# KiCad board register-motherboard.kicad_pcb (continued)
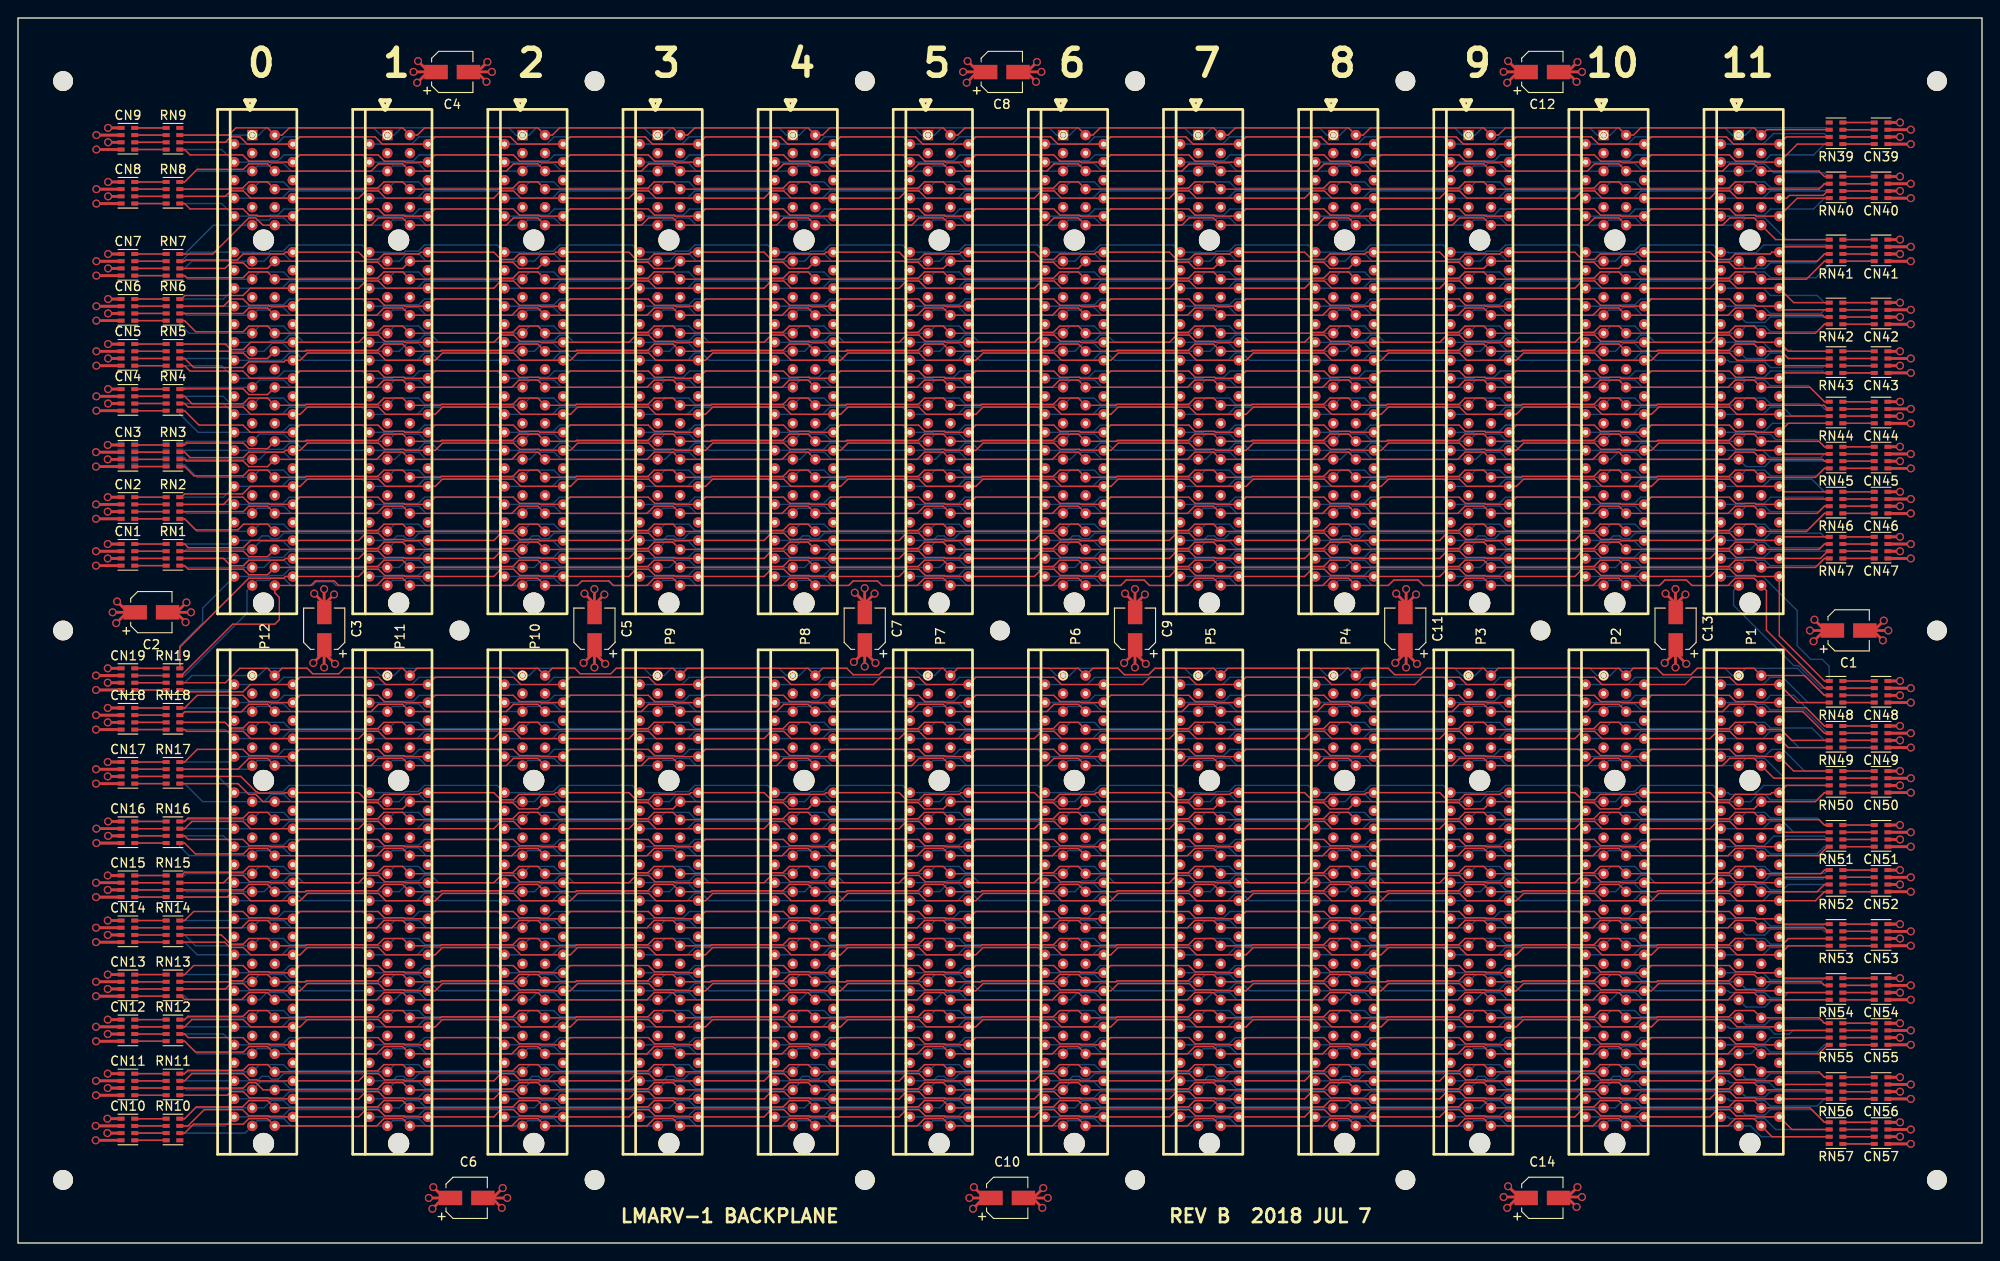
[diagram p0: board, top side]
## Routing (per net, layer and track width the routed paths; a pad name or vN(x,y) marks a point on that pad's centre or on a via; arc(x,y) is an arc through that point) (continued)
VCC: length 106.3
  Top w0.305: 167.4,5.1 v1(164.9,5.1) ; 167.4,5.1 166.6,5.1 v1(165.4,6.3) ; 167.4,5.1 166.5,5.1 v1(165.3,3.9) ; v1(106,3.8) 107.2,5 108.1,5 ; 108.1,5 v1(105.6,5) ; 108.1,5 107.3,5 v1(106.1,6.2) ; v1(46,3.8) 47.2,5 48.1,5 ; 48.1,5 v1(45.6,5) ; 48.1,5 47.3,5 v1(46.1,6.2) ; C2.1 12.2,70.02 v1(11,71.22) ; C2.1 12.1,70.02 v1(10.9,68.82) ; C2.1 v1(10.5,70.02) ; 46.4,130.02 45.6,130.02 v1(44.4,131.22) ; 46.4,130.02 v1(43.9,130.02) ; 46.4,130.02 45.5,130.02 v1(44.3,128.82) ; 107.4,130.02 106.5,130.02 v1(105.3,128.82) ; 107.4,130.02 v1(104.9,130.02) ; 107.4,130.02 106.6,130.02 v1(105.4,131.22) ; 167.4,130.02 166.6,130.02 v1(165.4,131.22) ; 167.4,130.02 166.5,130.02 v1(165.3,128.82) ; 167.4,130.02 v1(164.9,130.02) ; 183.98,66.4 183.98,65.6 v1(182.78,64.4) ; 183.98,66.4 v1(183.98,63.9) ; 183.98,66.4 183.98,65.5 v1(185.18,64.3) ; 154.08,66.4 v1(154.08,63.9) ; 154.08,66.4 154.08,65.6 v1(152.88,64.4) ; 154.08,66.4 154.08,65.5 v1(155.28,64.3) ; 123.98,66.4 v1(123.98,63.9) ; 123.98,66.4 123.98,65.6 v1(122.78,64.4) ; 123.98,66.4 123.98,65.5 v1(125.18,64.3) ; 93.98,66.5 v1(93.98,64) ; 93.98,66.5 93.98,65.7 v1(92.78,64.5) ; 93.98,66.5 93.98,65.6 v1(95.18,64.4) ; 63.98,66.4 63.98,65.6 v1(62.78,64.4) ; 63.98,66.4 v1(63.98,63.9) ; 63.98,66.4 63.98,65.5 v1(65.18,64.3) ; 33.98,66.4 v1(33.98,63.9) ; 33.98,66.4 33.98,65.5 v1(35.18,64.3) ; 33.98,66.4 33.98,65.6 v1(32.78,64.4) ; v1(199.3,66.8) 200.5,68 C1.1 ; C1.1 200.6,68 v1(199.4,69.2) ; C1.1 v1(198.9,68)
/BOOT_CLK: length 192.2
  Top w0.152: RN10.8 18.49,13.8 19.8,15.11 24.92,15.11 25.61,15.8 27.7,15.8 P12.194 38.38,15 38.49,15.11 39.92,15.11 40.61,15.8 42.7,15.8 P11.194 53.38,15 53.49,15.11 54.92,15.11 55.61,15.8 57.7,15.8 P10.194 68.38,15 68.49,15.11 69.92,15.11 70.61,15.8 72.7,15.8 P9.194 83.38,15 83.49,15.11 84.92,15.11 85.61,15.8 87.7,15.8 P8.194 98.38,15 98.49,15.11 99.92,15.11 100.61,15.8 102.7,15.8 P7.194 113.38,15 113.49,15.11 114.92,15.11 115.61,15.8 117.7,15.8 P6.194 128.38,15 128.49,15.11 129.92,15.11 130.61,15.8 132.7,15.8 P5.194 143.38,15 143.49,15.11 144.92,15.11 145.61,15.8 147.7,15.8 P4.194 158.38,15 158.49,15.11 159.92,15.11 160.61,15.8 162.7,15.8 P3.194 173.38,15 173.49,15.11 174.92,15.11 175.61,15.8 177.7,15.8 P2.194 188.38,15 188.49,15.11 189.92,15.11 190.61,15.8 192.7,15.8 P1.194 198.91,15 200.51,13.4 RN57.5
/f[0]: length 191.9
  Top w0.152: RN55.8 200.88,22 199.88,21 P1.188 192.7,21.8 190.61,21.8 189.81,21 P2.188 177.7,21.8 175.61,21.8 174.81,21 P3.188 162.7,21.8 160.61,21.8 159.81,21 P4.188 147.7,21.8 145.61,21.8 144.81,21 P5.188 132.7,21.8 130.61,21.8 129.81,21 P6.188 117.7,21.8 115.61,21.8 114.81,21 P7.188 102.7,21.8 100.61,21.8 99.81,21 P8.188 87.7,21.8 85.61,21.8 84.81,21 P9.188 72.7,21.8 70.61,21.8 69.81,21 P10.188 57.7,21.8 55.61,21.8 54.81,21 P11.188 42.7,21.8 40.61,21.8 39.81,21 P12.188 27.7,21.8 25.61,21.8 25.01,21.2 19.7,21.2 18.49,22.4 RN12.5
/f[1]: length 191.4
  Top w0.152: RN11.8 18.49,18.8 18.86,19.17 24.98,19.17 25.61,19.8 27.7,19.8 P12.190 38.38,19 38.49,19.11 39.92,19.11 40.61,19.8 42.7,19.8 P11.190 53.38,19 53.49,19.11 54.92,19.11 55.61,19.8 57.7,19.8 P10.190 68.38,19 68.49,19.11 69.92,19.11 70.61,19.8 72.7,19.8 P9.190 83.38,19 83.49,19.11 84.92,19.11 85.61,19.8 87.7,19.8 P8.190 98.38,19 98.49,19.11 99.92,19.11 100.61,19.8 102.7,19.8 P7.190 113.38,19 113.49,19.11 114.92,19.11 115.61,19.8 117.7,19.8 P6.190 128.38,19 128.49,19.11 129.92,19.11 130.61,19.8 132.7,19.8 P5.190 143.38,19 143.49,19.11 144.92,19.11 145.61,19.8 147.7,19.8 P4.190 158.38,19 158.49,19.11 159.92,19.11 160.61,19.8 162.7,19.8 P3.190 173.38,19 173.49,19.11 174.92,19.11 175.61,19.8 177.7,19.8 P2.190 188.38,19 188.49,19.11 189.92,19.11 190.61,19.8 192.7,19.8 P1.190 199.91,19 200.51,18.4 RN56.5
/f[2]: length 191.2
  Top w0.152: RN11.7 18.49,18 19.3,18.8 25.01,18.8 25.7,18.11 26.51,18.11 26.62,18 P12.191 37.81,18 38.61,18.8 40.01,18.8 40.7,18.11 42.82,18.11 42.93,18 P11.191 52.81,18 53.61,18.8 55.01,18.8 55.7,18.11 57.82,18.11 57.93,18 P10.191 67.81,18 68.61,18.8 70.01,18.8 70.7,18.11 72.82,18.11 72.93,18 P9.191 82.81,18 83.61,18.8 85.01,18.8 85.7,18.11 87.82,18.11 87.93,18 P8.191 97.81,18 98.61,18.8 100.01,18.8 100.7,18.11 102.82,18.11 102.93,18 P7.191 112.81,18 113.61,18.8 115.01,18.8 115.7,18.11 117.82,18.11 117.93,18 P6.191 127.81,18 128.61,18.8 130.01,18.8 130.7,18.11 132.82,18.11 132.93,18 P5.191 142.81,18 143.61,18.8 145.01,18.8 145.7,18.11 147.82,18.11 147.93,18 P4.191 157.81,18 158.61,18.8 160.01,18.8 160.7,18.11 162.82,18.11 162.93,18 P3.191 172.81,18 173.61,18.8 175.01,18.8 175.7,18.11 177.82,18.11 177.93,18 P2.191 187.81,18 188.61,18.8 190.01,18.8 190.7,18.11 192.82,18.11 192.93,18 P1.191 195.9,17.6 RN56.6
/f[3]: length 191.1
  Top w0.152: RN11.6 18.49,17.2 18.5,17.2 25.01,17.2 25.61,17.8 26.39,17.8 27.19,17 P12.192 38.38,17 38.49,17.11 39.92,17.11 40.61,17.8 42.7,17.8 P11.192 53.38,17 53.49,17.11 54.92,17.11 55.61,17.8 57.7,17.8 P10.192 68.38,17 68.49,17.11 69.92,17.11 70.61,17.8 72.7,17.8 P9.192 83.38,17 83.49,17.11 84.92,17.11 85.61,17.8 87.7,17.8 P8.192 98.38,17 98.49,17.11 99.92,17.11 100.61,17.8 102.7,17.8 P7.192 113.38,17 113.49,17.11 114.92,17.11 115.61,17.8 117.7,17.8 P6.192 128.38,17 128.49,17.11 129.92,17.11 130.61,17.8 132.7,17.8 P5.192 143.38,17 143.49,17.11 144.92,17.11 145.61,17.8 147.7,17.8 P4.192 158.38,17 158.49,17.11 159.92,17.11 160.61,17.8 162.7,17.8 P3.192 173.38,17 173.49,17.11 174.92,17.11 175.61,17.8 177.7,17.8 P2.192 188.38,17 188.49,17.11 189.92,17.11 190.61,17.8 192.7,17.8 P1.192 200.68,17 200.88,16.8 RN56.7
/nc0: length 191.2
  Top w0.152: RN45.7 200.51,86.8 200.31,87 P1.133 192.7,87.8 190.61,87.8 189.81,87 P2.133 177.7,87.8 175.61,87.8 174.81,87 P3.133 162.7,87.8 160.61,87.8 159.81,87 P4.133 147.7,87.8 145.61,87.8 144.81,87 P5.133 132.7,87.8 130.61,87.8 129.81,87 P6.133 117.7,87.8 115.61,87.8 114.81,87 P7.133 102.7,87.8 100.61,87.8 99.81,87 P8.133 87.7,87.8 85.61,87.8 84.81,87 P9.133 72.7,87.8 70.61,87.8 69.81,87 P10.133 57.7,87.8 55.61,87.8 54.81,87 P11.133 42.7,87.8 40.61,87.8 39.81,87 P12.133 27.7,86.2 25.61,86.2 24.98,86.83 18.66,86.83 18.49,87 RN3.6
/nc1: length 191.8
  Top w0.152: RN3.5 18.49,86.2 19.52,85.17 24.98,85.17 25.61,85.8 27.7,85.8 P12.135 31.88,85 31.99,85.11 39.92,85.11 40.61,85.8 42.7,85.8 P11.135 46.88,85 46.99,85.11 54.92,85.11 55.61,85.8 57.7,85.8 P10.135 61.88,85 61.99,85.11 69.92,85.11 70.61,85.8 72.7,85.8 P9.135 76.88,85 76.99,85.11 84.92,85.11 85.61,85.8 87.7,85.8 P8.135 91.88,85 91.99,85.11 99.92,85.11 100.61,85.8 102.7,85.8 P7.135 106.88,85 106.99,85.11 114.92,85.11 115.61,85.8 117.7,85.8 P6.135 121.88,85 121.99,85.11 129.92,85.11 130.61,85.8 132.7,85.8 P5.135 136.88,85 136.99,85.11 144.92,85.11 145.61,85.8 147.7,85.8 P4.135 151.88,85 151.99,85.11 159.92,85.11 160.61,85.8 162.7,85.8 P3.135 166.88,85 166.99,85.11 174.92,85.11 175.61,85.8 177.7,85.8 P2.135 181.88,85 181.99,85.11 189.92,85.11 190.61,85.8 192.7,85.8 P1.135 199.51,85 200.51,86 RN45.8
/nc2: length 191.1
  Top w0.152: RN46.5 196.1,83.4 P1.136 190.81,84 190.01,84.8 182.12,84.8 181.31,84 P2.136 175.81,84 175.01,84.8 167.12,84.8 166.31,84 P3.136 160.81,84 160.01,84.8 152.12,84.8 151.31,84 P4.136 145.81,84 145.01,84.8 137.12,84.8 136.31,84 P5.136 130.81,84 130.01,84.8 122.12,84.8 121.31,84 P6.136 115.81,84 115.01,84.8 107.12,84.8 106.31,84 P7.136 100.81,84 100.01,84.8 92.12,84.8 91.31,84 P8.136 85.81,84 85.01,84.8 77.12,84.8 76.31,84 P9.136 70.81,84 70.01,84.8 62.12,84.8 61.31,84 P10.136 55.81,84 55.01,84.8 47.12,84.8 46.31,84 P11.136 40.81,84 40.01,84.8 32.12,84.8 31.31,84 P12.136 25.77,84 24.94,83.17 18.49,83.17 18.12,82.8 RN2.8
/nc3: length 191.3
  Top w0.152: RN2.7 22.81,82 23.61,82.8 24.97,82.8 25.66,82.11 27.82,82.11 27.93,82 P12.138 31.3,82.8 39.97,82.8 40.66,82.11 42.82,82.11 42.93,82 P11.138 46.3,82.8 54.97,82.8 55.66,82.11 57.82,82.11 57.93,82 P10.138 61.3,82.8 69.97,82.8 70.66,82.11 72.82,82.11 72.93,82 P9.138 76.3,82.8 84.97,82.8 85.66,82.11 87.82,82.11 87.93,82 P8.138 91.3,82.8 99.97,82.8 100.66,82.11 102.82,82.11 102.93,82 P7.138 106.3,82.8 114.97,82.8 115.66,82.11 117.82,82.11 117.93,82 P6.138 121.3,82.8 129.97,82.8 130.66,82.11 132.82,82.11 132.93,82 P5.138 136.3,82.8 144.97,82.8 145.66,82.11 147.82,82.11 147.93,82 P4.138 151.3,82.8 159.97,82.8 160.66,82.11 162.82,82.11 162.93,82 P3.138 166.3,82.8 174.97,82.8 175.66,82.11 177.82,82.11 177.93,82 P2.138 181.3,82.8 189.97,82.8 190.66,82.11 192.82,82.11 192.93,82 P1.138 196.1,82.6 RN46.6
/nc4: length 191.3
  Top w0.152: RN46.7 200.51,81.8 199.71,81 P1.139 192.7,81.8 190.61,81.8 189.81,81 P2.139 177.7,81.8 175.61,81.8 174.81,81 P3.139 162.7,81.8 160.61,81.8 159.81,81 P4.139 147.7,81.8 145.61,81.8 144.81,81 P5.139 132.7,81.8 130.61,81.8 129.81,81 P6.139 117.7,81.8 115.61,81.8 114.81,81 P7.139 102.7,81.8 100.61,81.8 99.81,81 P8.139 87.7,81.8 85.61,81.8 84.81,81 P9.139 72.7,81.8 70.61,81.8 69.81,81 P10.139 57.7,81.8 55.61,81.8 54.81,81 P11.139 42.7,81.8 40.61,81.8 39.81,81 P12.139 27.7,81.8 25.61,81.8 25.01,81.2 18.5,81.2 18.49,81.2 RN2.6
/nc5: length 192.3
  Top w0.152: RN2.5 18.49,80.4 19.72,79.17 24.4,79.17 25.03,79.8 27.7,79.8 P12.141 38.38,79 38.49,79.11 39.92,79.11 40.61,79.8 42.7,79.8 P11.141 53.38,79 53.49,79.11 54.92,79.11 55.61,79.8 57.7,79.8 P10.141 68.38,79 68.49,79.11 69.92,79.11 70.61,79.8 72.7,79.8 P9.141 83.38,79 83.49,79.11 84.92,79.11 85.61,79.8 87.7,79.8 P8.141 98.38,79 98.49,79.11 99.92,79.11 100.61,79.8 102.7,79.8 P7.141 113.38,79 113.49,79.11 114.92,79.11 115.61,79.8 117.7,79.8 P6.141 128.38,79 128.49,79.11 129.92,79.11 130.61,79.8 132.7,79.8 P5.141 143.38,79 143.49,79.11 144.92,79.11 145.61,79.8 147.7,79.8 P4.141 158.38,79 158.49,79.11 159.92,79.11 160.61,79.8 162.7,79.8 P3.141 173.38,79 173.49,79.11 174.92,79.11 175.61,79.8 177.7,79.8 P2.141 188.38,79 188.49,79.11 189.92,79.11 190.61,79.8 192.7,79.8 P1.141 198.51,79 200.51,81 RN46.8
/nc6: length 191.1
  Top w0.152: RN1.8 18.49,77.6 18.9,77.2 25.01,77.2 25.81,78 P12.142 37.81,78 38.61,78.8 40.01,78.8 40.7,78.11 42.82,78.11 42.93,78 P11.142 52.81,78 53.61,78.8 55.01,78.8 55.7,78.11 57.82,78.11 57.93,78 P10.142 67.81,78 68.61,78.8 70.01,78.8 70.7,78.11 72.82,78.11 72.93,78 P9.142 82.81,78 83.61,78.8 85.01,78.8 85.7,78.11 87.82,78.11 87.93,78 P8.142 97.81,78 98.61,78.8 100.01,78.8 100.7,78.11 102.82,78.11 102.93,78 P7.142 112.81,78 113.61,78.8 115.01,78.8 115.7,78.11 117.82,78.11 117.93,78 P6.142 127.81,78 128.61,78.8 130.01,78.8 130.7,78.11 132.82,78.11 132.93,78 P5.142 142.81,78 143.61,78.8 145.01,78.8 145.7,78.11 147.82,78.11 147.93,78 P4.142 157.81,78 158.61,78.8 160.01,78.8 160.7,78.11 162.82,78.11 162.93,78 P3.142 172.81,78 173.61,78.8 175.01,78.8 175.7,78.11 177.82,78.11 177.93,78 P2.142 187.81,78 188.61,78.8 190.01,78.8 190.7,78.11 192.82,78.11 192.93,78 P1.142 195.9,78.4 RN47.5
/nc7: length 191.9
  Bottom w0.152: RN30.7 18.49,17.2 18.69,17 P12.94 26.89,17.89 29.45,17.89 30.23,17.11 38.32,17.11 38.43,17 P11.94 41.89,17.89 44.45,17.89 45.23,17.11 53.32,17.11 53.43,17 P10.94 56.89,17.89 59.45,17.89 60.23,17.11 68.32,17.11 68.43,17 P9.94 71.89,17.89 74.45,17.89 75.23,17.11 83.32,17.11 83.43,17 P8.94 86.89,17.89 89.45,17.89 90.23,17.11 98.32,17.11 98.43,17 P7.94 101.89,17.89 104.45,17.89 105.23,17.11 113.32,17.11 113.43,17 P6.94 116.89,17.89 119.45,17.89 120.23,17.11 128.32,17.11 128.43,17 P5.94 131.89,17.89 134.45,17.89 135.23,17.11 143.32,17.11 143.43,17 P4.94 146.89,17.89 149.45,17.89 150.23,17.11 158.32,17.11 158.43,17 P3.94 161.89,17.89 164.45,17.89 165.23,17.11 173.32,17.11 173.43,17 P2.94 176.89,17.89 179.45,17.89 180.23,17.11 188.32,17.11 188.43,17 P1.94 191.8,16.2 193.89,16.2 194.49,16.8 200.5,16.8 200.51,16.8 RN75.6
/nc8: length 191.2
  Bottom w0.152: RN75.5 200.51,16 199.7,15.2 194.49,15.2 193.89,15.8 190.01,15.8 189.81,16 P1.95 188.2,16.8 180.11,16.8 179.42,16.11 177.99,16.11 177.88,16 P2.95 173.2,16.8 165.11,16.8 164.42,16.11 162.99,16.11 162.88,16 P3.95 158.2,16.8 150.11,16.8 149.42,16.11 147.99,16.11 147.88,16 P4.95 143.2,16.8 135.11,16.8 134.42,16.11 132.99,16.11 132.88,16 P5.95 128.2,16.8 120.11,16.8 119.42,16.11 117.99,16.11 117.88,16 P6.95 113.2,16.8 105.11,16.8 104.42,16.11 102.99,16.11 102.88,16 P7.95 98.2,16.8 90.11,16.8 89.42,16.11 87.99,16.11 87.88,16 P8.95 83.2,16.8 75.11,16.8 74.42,16.11 72.99,16.11 72.88,16 P9.95 68.2,16.8 60.11,16.8 59.42,16.11 57.99,16.11 57.88,16 P10.95 53.2,16.8 45.11,16.8 44.42,16.11 42.99,16.11 42.88,16 P11.95 38.2,16.8 30.11,16.8 29.42,16.11 27.99,16.11 27.88,16 P12.95 23.6,16.4 RN30.8
/nc9: length 192.1
  Bottom w0.152: RN76.8 200.51,13.4 199.1,14.8 194.49,14.8 193.89,14.2 191.8,14.2 P1.96 188.43,15 188.32,15.11 180.2,15.11 179.51,15.8 178.11,15.8 177.31,15 P2.96 173.43,15 173.32,15.11 165.2,15.11 164.51,15.8 163.11,15.8 162.31,15 P3.96 158.43,15 158.32,15.11 150.2,15.11 149.51,15.8 148.11,15.8 147.31,15 P4.96 143.43,15 143.32,15.11 135.2,15.11 134.51,15.8 133.11,15.8 132.31,15 P5.96 128.43,15 128.32,15.11 120.2,15.11 119.51,15.8 118.11,15.8 117.31,15 P6.96 113.43,15 113.32,15.11 105.2,15.11 104.51,15.8 103.11,15.8 102.31,15 P7.96 98.43,15 98.32,15.11 90.2,15.11 89.51,15.8 88.11,15.8 87.31,15 P8.96 83.43,15 83.32,15.11 75.2,15.11 74.51,15.8 73.11,15.8 72.31,15 P9.96 68.43,15 68.32,15.11 60.2,15.11 59.51,15.8 58.11,15.8 57.31,15 P10.96 53.43,15 53.32,15.11 45.2,15.11 44.51,15.8 43.11,15.8 42.31,15 P11.96 38.43,15 38.32,15.11 30.2,15.11 29.51,15.8 28.11,15.8 27.31,15 P12.96 19.69,15 18.49,13.8 RN29.5
/nc10: length 191.4
  Bottom w0.152: RN29.6 23,13 P12.97 27.88,14 27.99,14.11 29.42,14.11 30.11,14.8 38.2,14.8 P11.97 42.88,14 42.99,14.11 44.42,14.11 45.11,14.8 53.2,14.8 P10.97 57.88,14 57.99,14.11 59.42,14.11 60.11,14.8 68.2,14.8 P9.97 72.88,14 72.99,14.11 74.42,14.11 75.11,14.8 83.2,14.8 P8.97 87.88,14 87.99,14.11 89.42,14.11 90.11,14.8 98.2,14.8 P7.97 102.88,14 102.99,14.11 104.42,14.11 105.11,14.8 113.2,14.8 P6.97 117.88,14 117.99,14.11 119.42,14.11 120.11,14.8 128.2,14.8 P5.97 132.88,14 132.99,14.11 134.42,14.11 135.11,14.8 143.2,14.8 P4.97 147.88,14 147.99,14.11 149.42,14.11 150.11,14.8 158.2,14.8 P3.97 162.88,14 162.99,14.11 164.42,14.11 165.11,14.8 173.2,14.8 P2.97 177.88,14 177.99,14.11 179.42,14.11 180.11,14.8 188.2,14.8 P1.97 189.81,14 190.01,13.8 193.89,13.8 195.09,12.6 RN76.7
/nc11: length 191.2
  Bottom w0.152: RN76.6 193.51,11.8 192.31,13 P1.98 180.31,13 179.51,13.8 178.11,13.8 177.89,13.57 176.57,13.57 P2.98 165.31,13 164.51,13.8 163.11,13.8 162.89,13.57 161.57,13.57 P3.98 150.31,13 149.51,13.8 148.11,13.8 147.89,13.57 146.57,13.57 P4.98 135.31,13 134.51,13.8 133.11,13.8 132.89,13.57 131.57,13.57 P5.98 120.31,13 119.51,13.8 118.11,13.8 117.89,13.57 116.57,13.57 P6.98 105.31,13 104.51,13.8 103.11,13.8 102.89,13.57 101.57,13.57 P7.98 90.31,13 89.51,13.8 88.11,13.8 87.89,13.57 86.57,13.57 P8.98 75.31,13 74.51,13.8 73.11,13.8 72.89,13.57 71.57,13.57 P9.98 60.31,13 59.51,13.8 58.11,13.8 57.89,13.57 56.57,13.57 P10.98 45.31,13 44.51,13.8 43.11,13.8 42.89,13.57 41.57,13.57 P11.98 30.31,13 29.51,13.8 28.11,13.8 27.89,13.57 26.57,13.57 P12.98 25.2,12.2 RN29.7
/nc12: length 191.2
  Top w0.152: RN55.6 195.9,23.6 P1.185 190.81,24 190.01,24.8 182.12,24.8 181.31,24 P2.185 175.81,24 175.01,24.8 167.12,24.8 166.31,24 P3.185 160.81,24 160.01,24.8 152.12,24.8 151.31,24 P4.185 145.81,24 145.01,24.8 137.12,24.8 136.31,24 P5.185 130.81,24 130.01,24.8 122.12,24.8 121.31,24 P6.185 115.81,24 115.01,24.8 107.12,24.8 106.31,24 P7.185 100.81,24 100.01,24.8 92.12,24.8 91.31,24 P8.185 85.81,24 85.01,24.8 77.12,24.8 76.31,24 P9.185 70.81,24 70.01,24.8 62.12,24.8 61.31,24 P10.185 55.81,24 55.01,24.8 47.12,24.8 46.31,24 P11.185 40.81,24 40.01,24.8 32.12,24.8 31.31,24 P12.185 25.81,24 25.01,24.8 19.3,24.8 18.49,24 RN12.7
/rd[0]: length 191
  Bottom w0.152: RN71.7 200.51,40.6 200.31,40.4 196.29,40.4 195.89,40.8 194.46,40.8 193.77,40.11 191.68,40.11 191.57,40 P1.71 181.69,40 180.89,40.8 180.11,40.8 179.51,40.2 178.08,40.2 177.88,40 P2.71 166.69,40 165.89,40.8 165.11,40.8 164.51,40.2 163.08,40.2 162.88,40 P3.71 151.69,40 150.89,40.8 150.11,40.8 149.51,40.2 148.08,40.2 147.88,40 P4.71 136.69,40 135.89,40.8 135.11,40.8 134.51,40.2 133.08,40.2 132.88,40 P5.71 121.69,40 120.89,40.8 120.11,40.8 119.51,40.2 118.08,40.2 117.88,40 P6.71 106.69,40 105.89,40.8 105.11,40.8 104.51,40.2 103.08,40.2 102.88,40 P7.71 91.69,40 90.89,40.8 90.11,40.8 89.51,40.2 88.08,40.2 87.88,40 P8.71 76.69,40 75.89,40.8 75.11,40.8 74.51,40.2 73.08,40.2 72.88,40 P9.71 61.69,40 60.89,40.8 60.11,40.8 59.51,40.2 58.08,40.2 57.88,40 P10.71 46.69,40 45.89,40.8 45.11,40.8 44.51,40.2 43.08,40.2 42.88,40 P11.71 31.69,40 30.89,40.8 30.11,40.8 29.51,40.2 28.08,40.2 27.88,40 P12.71 RN34.6
/rd[1]: length 191.3
  Bottom w0.152: RN34.5 18.49,40.8 18.69,41 P12.70 26.8,41.8 29.47,41.8 30.16,41.11 31.01,41.11 31.12,41 P11.70 41.8,41.8 44.47,41.8 45.16,41.11 46.01,41.11 46.12,41 P10.70 56.8,41.8 59.47,41.8 60.16,41.11 61.01,41.11 61.12,41 P9.70 71.8,41.8 74.47,41.8 75.16,41.11 76.01,41.11 76.12,41 P8.70 86.8,41.8 89.47,41.8 90.16,41.11 91.01,41.11 91.12,41 P7.70 101.8,41.8 104.47,41.8 105.16,41.11 106.01,41.11 106.12,41 P6.70 116.8,41.8 119.47,41.8 120.16,41.11 121.01,41.11 121.12,41 P5.70 131.8,41.8 134.47,41.8 135.16,41.11 136.01,41.11 136.12,41 P4.70 146.8,41.8 149.47,41.8 150.16,41.11 151.01,41.11 151.12,41 P3.70 161.8,41.8 164.47,41.8 165.16,41.11 166.01,41.11 166.12,41 P2.70 176.8,41.8 179.47,41.8 180.16,41.11 181.01,41.11 181.12,41 P1.70 191.8,41.8 193.89,41.8 194.58,41.11 196.01,41.11 196.09,41.03 200.51,41.03 200.88,41.4 RN71.8
/rd[2]: length 192.7
  Bottom w0.152: RN35.8 17.96,44.03 18.99,43 P12.68 26.57,43.57 27.89,43.57 28.18,43.87 29.44,43.87 30.31,43 P11.68 41.57,43.57 42.89,43.57 43.18,43.87 44.44,43.87 45.31,43 P10.68 56.57,43.57 57.89,43.57 58.18,43.87 59.44,43.87 60.31,43 P9.68 71.57,43.57 72.89,43.57 73.18,43.87 74.44,43.87 75.31,43 P8.68 86.57,43.57 87.89,43.57 88.18,43.87 89.44,43.87 90.31,43 P7.68 101.57,43.57 102.89,43.57 103.18,43.87 104.44,43.87 105.31,43 P6.68 116.57,43.57 117.89,43.57 118.18,43.87 119.44,43.87 120.31,43 P5.68 131.57,43.57 132.89,43.57 133.18,43.87 134.44,43.87 135.31,43 P4.68 146.57,43.57 147.89,43.57 148.18,43.87 149.44,43.87 150.31,43 P3.68 161.57,43.57 162.89,43.57 163.18,43.87 164.44,43.87 165.31,43 P2.68 176.57,43.57 177.89,43.57 178.18,43.87 179.44,43.87 180.31,43 P1.68 191.8,43.8 193.89,43.8 194.49,43.2 199.7,43.2 200.51,44 RN70.5
/rd[3]: length 191.5
  Bottom w0.152: RN70.6 200.88,44.8 200.51,45.17 194.89,45.17 193.84,44.11 191.68,44.11 191.57,44 P1.67 188.2,44.8 180.11,44.8 179.48,44.17 178.05,44.17 177.88,44 P2.67 173.2,44.8 165.11,44.8 164.48,44.17 163.05,44.17 162.88,44 P3.67 158.2,44.8 150.11,44.8 149.48,44.17 148.05,44.17 147.88,44 P4.67 143.2,44.8 135.11,44.8 134.48,44.17 133.05,44.17 132.88,44 P5.67 128.2,44.8 120.11,44.8 119.48,44.17 118.05,44.17 117.88,44 P6.67 113.2,44.8 105.11,44.8 104.48,44.17 103.05,44.17 102.88,44 P7.67 98.2,44.8 90.11,44.8 89.48,44.17 88.05,44.17 87.88,44 P8.67 83.2,44.8 75.11,44.8 74.48,44.17 73.05,44.17 72.88,44 P9.67 68.2,44.8 60.11,44.8 59.48,44.17 58.05,44.17 57.88,44 P10.67 53.2,44.8 45.11,44.8 44.48,44.17 43.05,44.17 42.88,44 P11.67 38.2,44.8 30.11,44.8 29.48,44.17 28.05,44.17 27.88,44 P12.67 22.8,45.2 RN35.7
/rd[4]: length 191.2
  Bottom w0.152: RN70.7 197.09,45.6 195.89,46.8 194.49,46.8 193.69,46 P1.65 188.2,46.8 180.11,46.8 179.31,46 P2.65 173.2,46.8 165.11,46.8 164.31,46 P3.65 158.2,46.8 150.11,46.8 149.31,46 P4.65 143.2,46.8 135.11,46.8 134.31,46 P5.65 128.2,46.8 120.11,46.8 119.31,46 P6.65 113.2,46.8 105.11,46.8 104.31,46 P7.65 98.2,46.8 90.11,46.8 89.31,46 P8.65 83.2,46.8 75.11,46.8 74.31,46 P9.65 68.2,46.8 60.11,46.8 59.31,46 P10.65 53.2,46.8 45.11,46.8 44.31,46 P11.65 38.2,46.8 30.11,46.8 29.31,46 P12.65 RN35.6
/rd[5]: length 191.4
  Bottom w0.152: RN70.8 200.51,46.4 199.74,47.17 194.52,47.17 193.89,47.8 191.8,47.8 P1.64 188.43,47 188.32,47.11 180.16,47.11 179.47,47.8 176.8,47.8 P2.64 173.43,47 173.32,47.11 165.16,47.11 164.47,47.8 161.8,47.8 P3.64 158.43,47 158.32,47.11 150.16,47.11 149.47,47.8 146.8,47.8 P4.64 143.43,47 143.32,47.11 135.16,47.11 134.47,47.8 131.8,47.8 P5.64 128.43,47 128.32,47.11 120.16,47.11 119.47,47.8 116.8,47.8 P6.64 113.43,47 113.32,47.11 105.16,47.11 104.47,47.8 101.8,47.8 P7.64 98.43,47 98.32,47.11 90.16,47.11 89.47,47.8 86.8,47.8 P8.64 83.43,47 83.32,47.11 75.16,47.11 74.47,47.8 71.8,47.8 P9.64 68.43,47 68.32,47.11 60.16,47.11 59.47,47.8 56.8,47.8 P10.64 53.43,47 53.32,47.11 45.16,47.11 44.47,47.8 41.8,47.8 P11.64 38.43,47 38.32,47.11 30.16,47.11 29.47,47.8 26.8,47.8 P12.64 18.69,47 18.49,46.8 RN35.5
/rd[6]: length 192.1
  Bottom w0.152: RN69.5 200.51,50 199.7,49.2 194.49,49.2 193.89,49.8 193.11,49.8 192.31,49 P1.62 180.31,49 179.51,49.8 178.11,49.8 177.31,49 P2.62 165.31,49 164.51,49.8 163.11,49.8 162.31,49 P3.62 150.31,49 149.51,49.8 148.11,49.8 147.31,49 P4.62 135.31,49 134.51,49.8 133.11,49.8 132.31,49 P5.62 120.31,49 119.51,49.8 118.11,49.8 117.31,49 P6.62 105.31,49 104.51,49.8 103.11,49.8 102.31,49 P7.62 90.31,49 89.51,49.8 88.11,49.8 87.31,49 P8.62 75.31,49 74.51,49.8 73.11,49.8 72.31,49 P9.62 60.31,49 59.51,49.8 58.11,49.8 57.31,49 P10.62 45.31,49 44.51,49.8 43.11,49.8 42.31,49 P11.62 30.31,49 29.51,49.8 28.11,49.8 27.31,49 P12.62 20.49,49 18.49,51 RN36.8
/rd[7]: length 192.1
  Bottom w0.152: RN69.6 200.51,50.8 200.5,50.8 193.78,50.8 193.09,50.11 192.99,50.11 192.68,49.8 190.01,49.8 189.81,50 P1.61 188.2,50.8 180.11,50.8 179.42,50.11 177.99,50.11 177.83,49.95 176.24,49.95 176.19,50 P2.61 173.2,50.8 165.11,50.8 164.42,50.11 162.99,50.11 162.83,49.95 161.24,49.95 161.19,50 P3.61 158.2,50.8 150.11,50.8 149.42,50.11 147.99,50.11 147.83,49.95 146.24,49.95 146.19,50 P4.61 143.2,50.8 135.11,50.8 134.42,50.11 132.99,50.11 132.83,49.95 131.24,49.95 131.19,50 P5.61 128.2,50.8 120.11,50.8 119.42,50.11 117.99,50.11 117.83,49.95 116.24,49.95 116.19,50 P6.61 113.2,50.8 105.11,50.8 104.42,50.11 102.99,50.11 102.83,49.95 101.24,49.95 101.19,50 P7.61 98.2,50.8 90.11,50.8 89.42,50.11 87.99,50.11 87.83,49.95 86.24,49.95 86.19,50 P8.61 83.2,50.8 75.11,50.8 74.42,50.11 72.99,50.11 72.83,49.95 71.24,49.95 71.19,50 P9.61 68.2,50.8 60.11,50.8 59.42,50.11 57.99,50.11 57.83,49.95 56.24,49.95 56.19,50 P10.61 53.2,50.8 45.11,50.8 44.42,50.11 42.99,50.11 42.83,49.95 41.24,49.95 41.19,50 P11.61 38.2,50.8 30.11,50.8 29.42,50.11 27.99,50.11 27.83,49.95 26.24,49.95 26.19,50 P12.61 22.2,51.8 RN36.7
/rd[8]: length 191.8
  Bottom w0.152: RN69.7 196.09,51.6 193.89,53.8 191.8,53.8 P1.60 180.31,53 179.51,53.8 178.11,53.8 177.89,53.57 176.57,53.57 P2.60 165.31,53 164.51,53.8 163.11,53.8 162.89,53.57 161.57,53.57 P3.60 150.31,53 149.51,53.8 148.11,53.8 147.89,53.57 146.57,53.57 P4.60 135.31,53 134.51,53.8 133.11,53.8 132.89,53.57 131.57,53.57 P5.60 120.31,53 119.51,53.8 118.11,53.8 117.89,53.57 116.57,53.57 P6.60 105.31,53 104.51,53.8 103.11,53.8 102.89,53.57 101.57,53.57 P7.60 90.31,53 89.51,53.8 88.11,53.8 87.89,53.57 86.57,53.57 P8.60 75.31,53 74.51,53.8 73.11,53.8 72.89,53.57 71.57,53.57 P9.60 60.31,53 59.51,53.8 58.11,53.8 57.89,53.57 56.57,53.57 P10.60 45.31,53 44.51,53.8 43.11,53.8 42.89,53.57 41.57,53.57 P11.60 30.31,53 29.51,53.8 28.11,53.8 27.89,53.57 26.57,53.57 P12.60 25.6,52.6 RN36.6
/rd[9]: length 192
  Bottom w0.152: RN36.5 23.4,53.4 P12.59 27.88,54 27.99,54.11 28.84,54.11 29.53,54.8 38.2,54.8 P11.59 42.88,54 42.99,54.11 43.84,54.11 44.53,54.8 53.2,54.8 P10.59 57.88,54 57.99,54.11 58.84,54.11 59.53,54.8 68.2,54.8 P9.59 72.88,54 72.99,54.11 73.84,54.11 74.53,54.8 83.2,54.8 P8.59 87.88,54 87.99,54.11 88.84,54.11 89.53,54.8 98.2,54.8 P7.59 102.88,54 102.99,54.11 103.84,54.11 104.53,54.8 113.2,54.8 P6.59 117.88,54 117.99,54.11 118.84,54.11 119.53,54.8 128.2,54.8 P5.59 132.88,54 132.99,54.11 133.84,54.11 134.53,54.8 143.2,54.8 P4.59 147.88,54 147.99,54.11 148.84,54.11 149.53,54.8 158.2,54.8 P3.59 162.88,54 162.99,54.11 163.84,54.11 164.53,54.8 173.2,54.8 P2.59 177.88,54 177.99,54.11 178.84,54.11 179.53,54.8 188.2,54.8 P1.59 191.57,54 191.68,54.11 193.98,54.11 194.67,54.8 195.89,54.8 198.29,52.4 RN69.8
/rd[10]: length 191.9
  Bottom w0.152: RN37.8 23,57 P12.57 29.31,56 30.11,56.8 38.2,56.8 P11.57 44.31,56 45.11,56.8 53.2,56.8 P10.57 59.31,56 60.11,56.8 68.2,56.8 P9.57 74.31,56 75.11,56.8 83.2,56.8 P8.57 89.31,56 90.11,56.8 98.2,56.8 P7.57 104.31,56 105.11,56.8 113.2,56.8 P6.57 119.31,56 120.11,56.8 128.2,56.8 P5.57 134.31,56 135.11,56.8 143.2,56.8 P4.57 149.31,56 150.11,56.8 158.2,56.8 P3.57 164.31,56 165.11,56.8 173.2,56.8 P2.57 179.31,56 180.11,56.8 188.2,56.8 P1.57 193.69,56 194.49,56.8 195.89,56.8 197.69,55 RN68.5
/rd[11]: length 191.9
  Bottom w0.152: RN68.6 200.51,55.8 199.14,57.17 194.52,57.17 193.89,57.8 191.8,57.8 P1.56 188.43,57 188.32,57.11 180.16,57.11 179.47,57.8 176.8,57.8 P2.56 173.43,57 173.32,57.11 165.16,57.11 164.47,57.8 161.8,57.8 P3.56 158.43,57 158.32,57.11 150.16,57.11 149.47,57.8 146.8,57.8 P4.56 143.43,57 143.32,57.11 135.16,57.11 134.47,57.8 131.8,57.8 P5.56 128.43,57 128.32,57.11 120.16,57.11 119.47,57.8 116.8,57.8 P6.56 113.43,57 113.32,57.11 105.16,57.11 104.47,57.8 101.8,57.8 P7.56 98.43,57 98.32,57.11 90.16,57.11 89.47,57.8 86.8,57.8 P8.56 83.43,57 83.32,57.11 75.16,57.11 74.47,57.8 71.8,57.8 P9.56 68.43,57 68.32,57.11 60.16,57.11 59.47,57.8 56.8,57.8 P10.56 53.43,57 53.32,57.11 45.16,57.11 44.47,57.8 41.8,57.8 P11.56 38.43,57 38.32,57.11 30.16,57.11 29.47,57.8 26.8,57.8 P12.56 23.77,57 22.97,57.8 RN37.7